# Altium PCB 2m_DBoard_TX.PcbDoc (part 1 of 2) (continued)
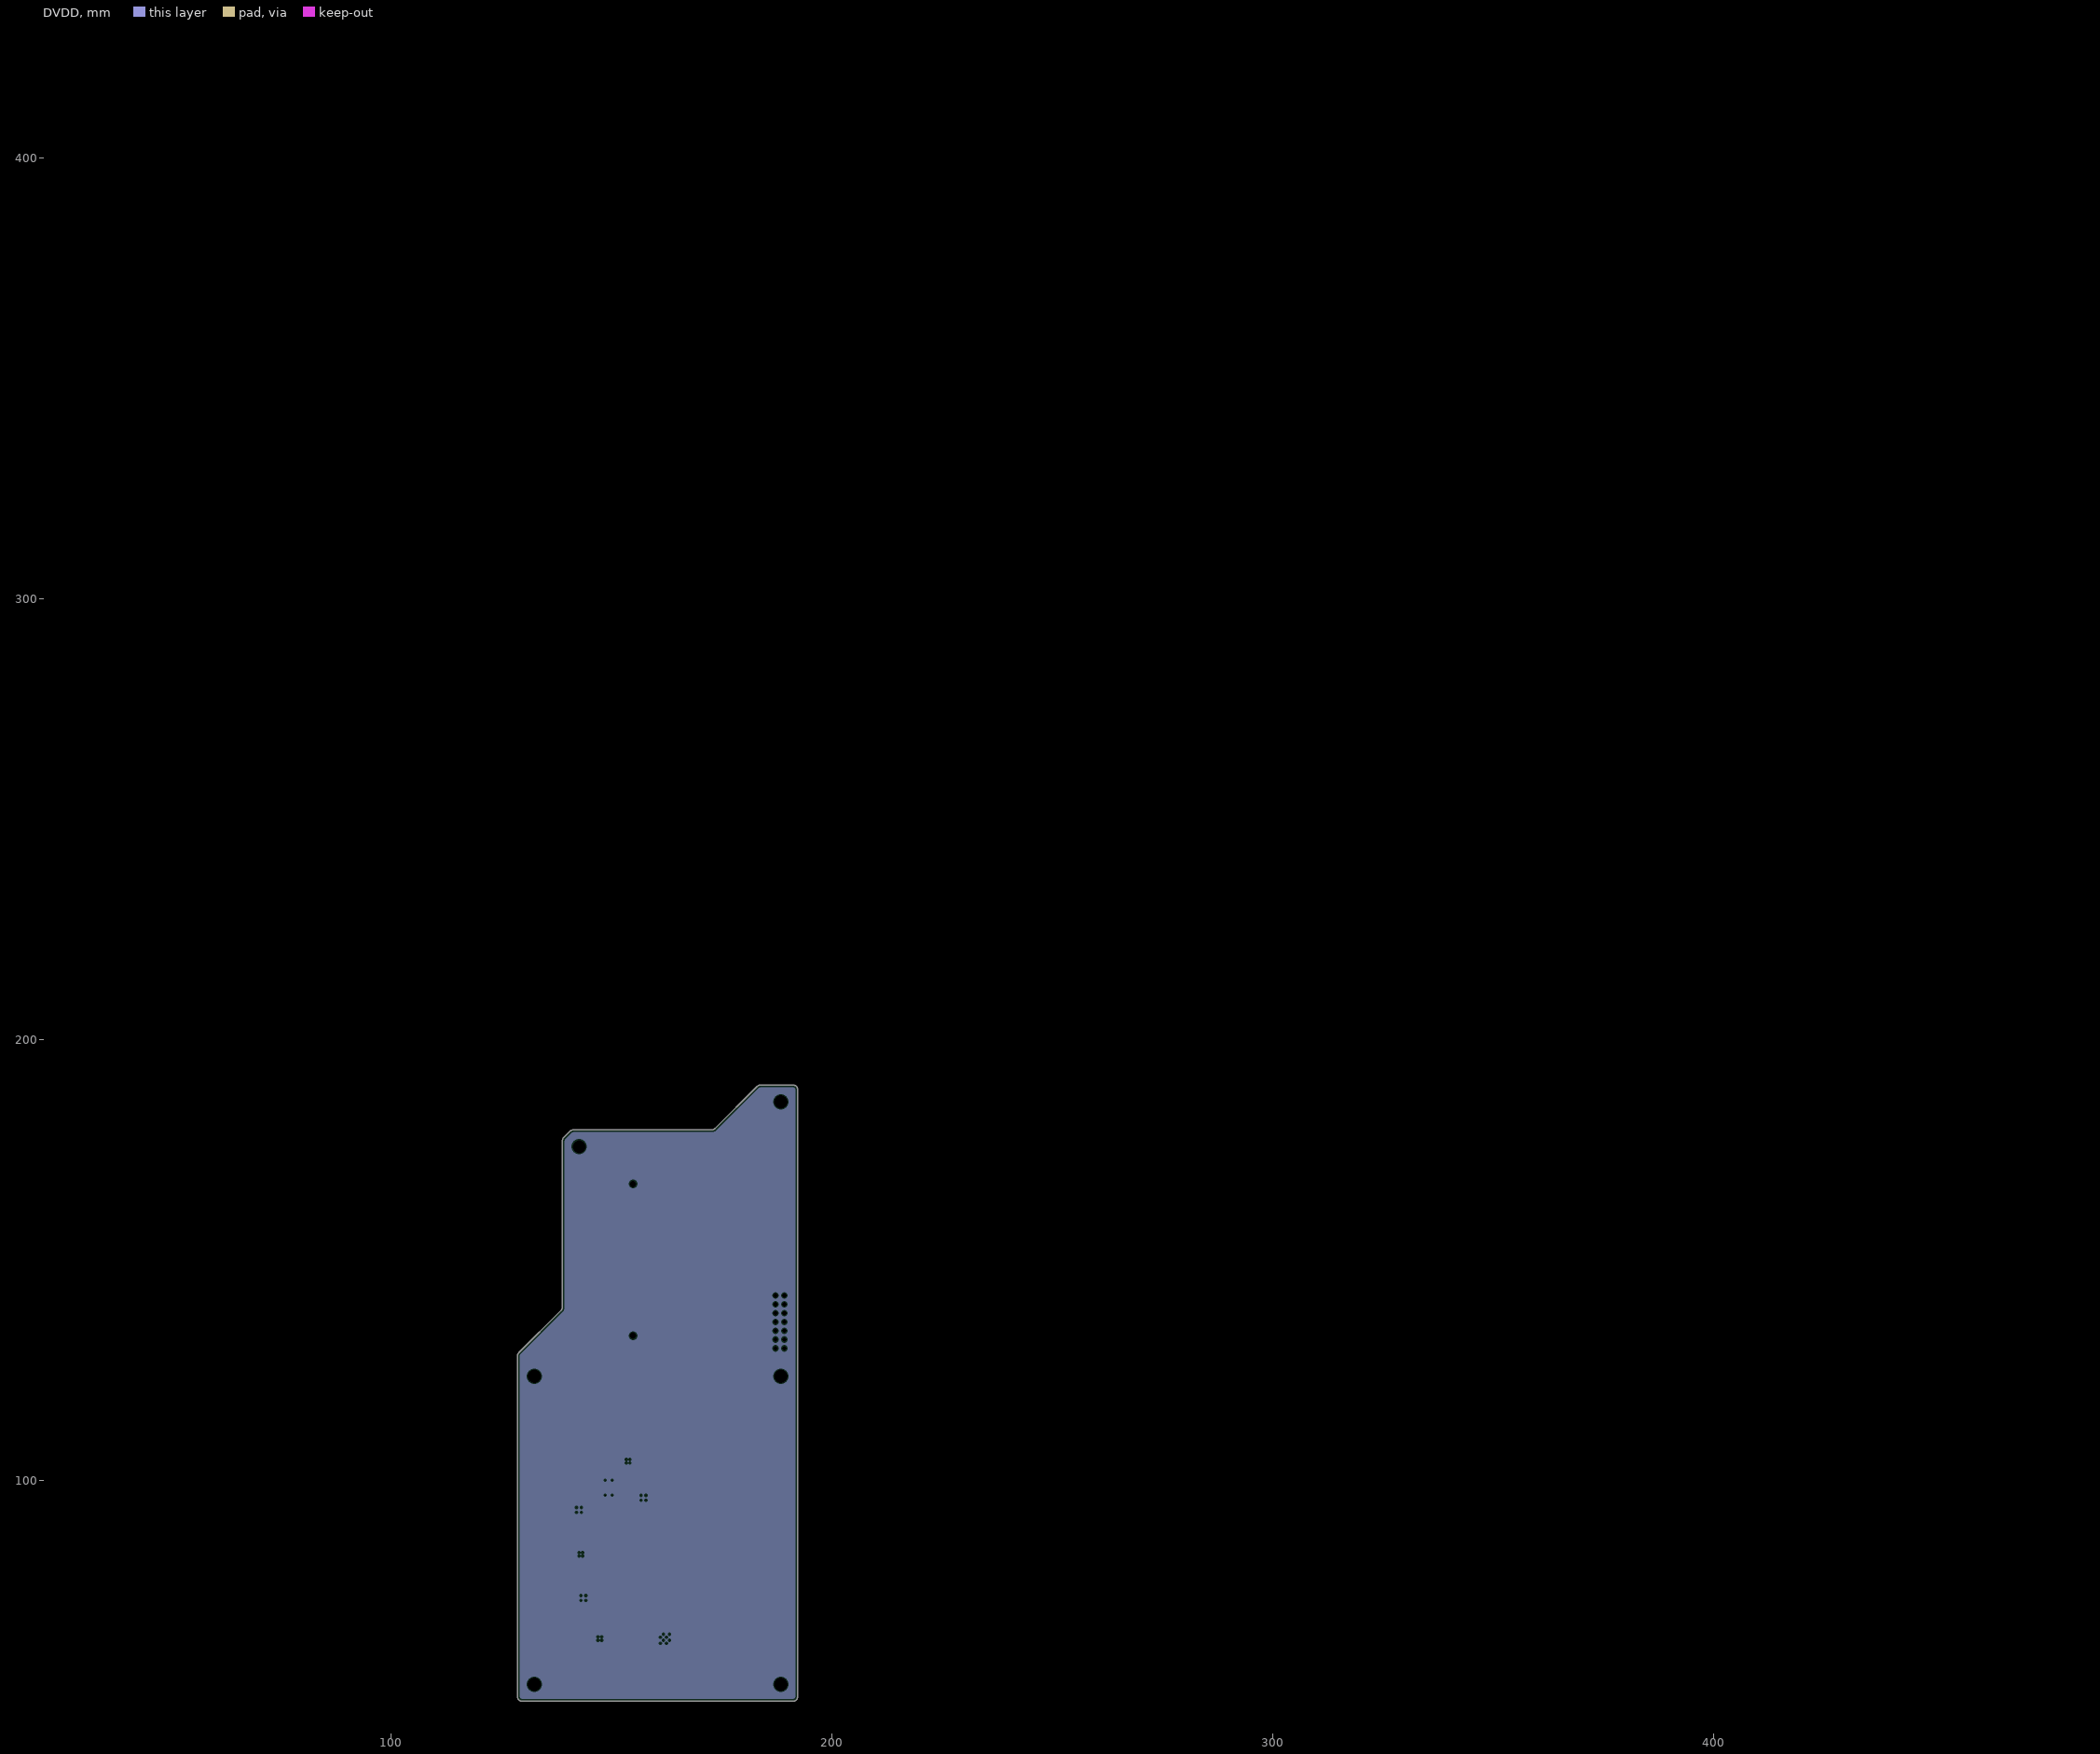
[diagram p4: DVDD, clearances drawn from the general rule]
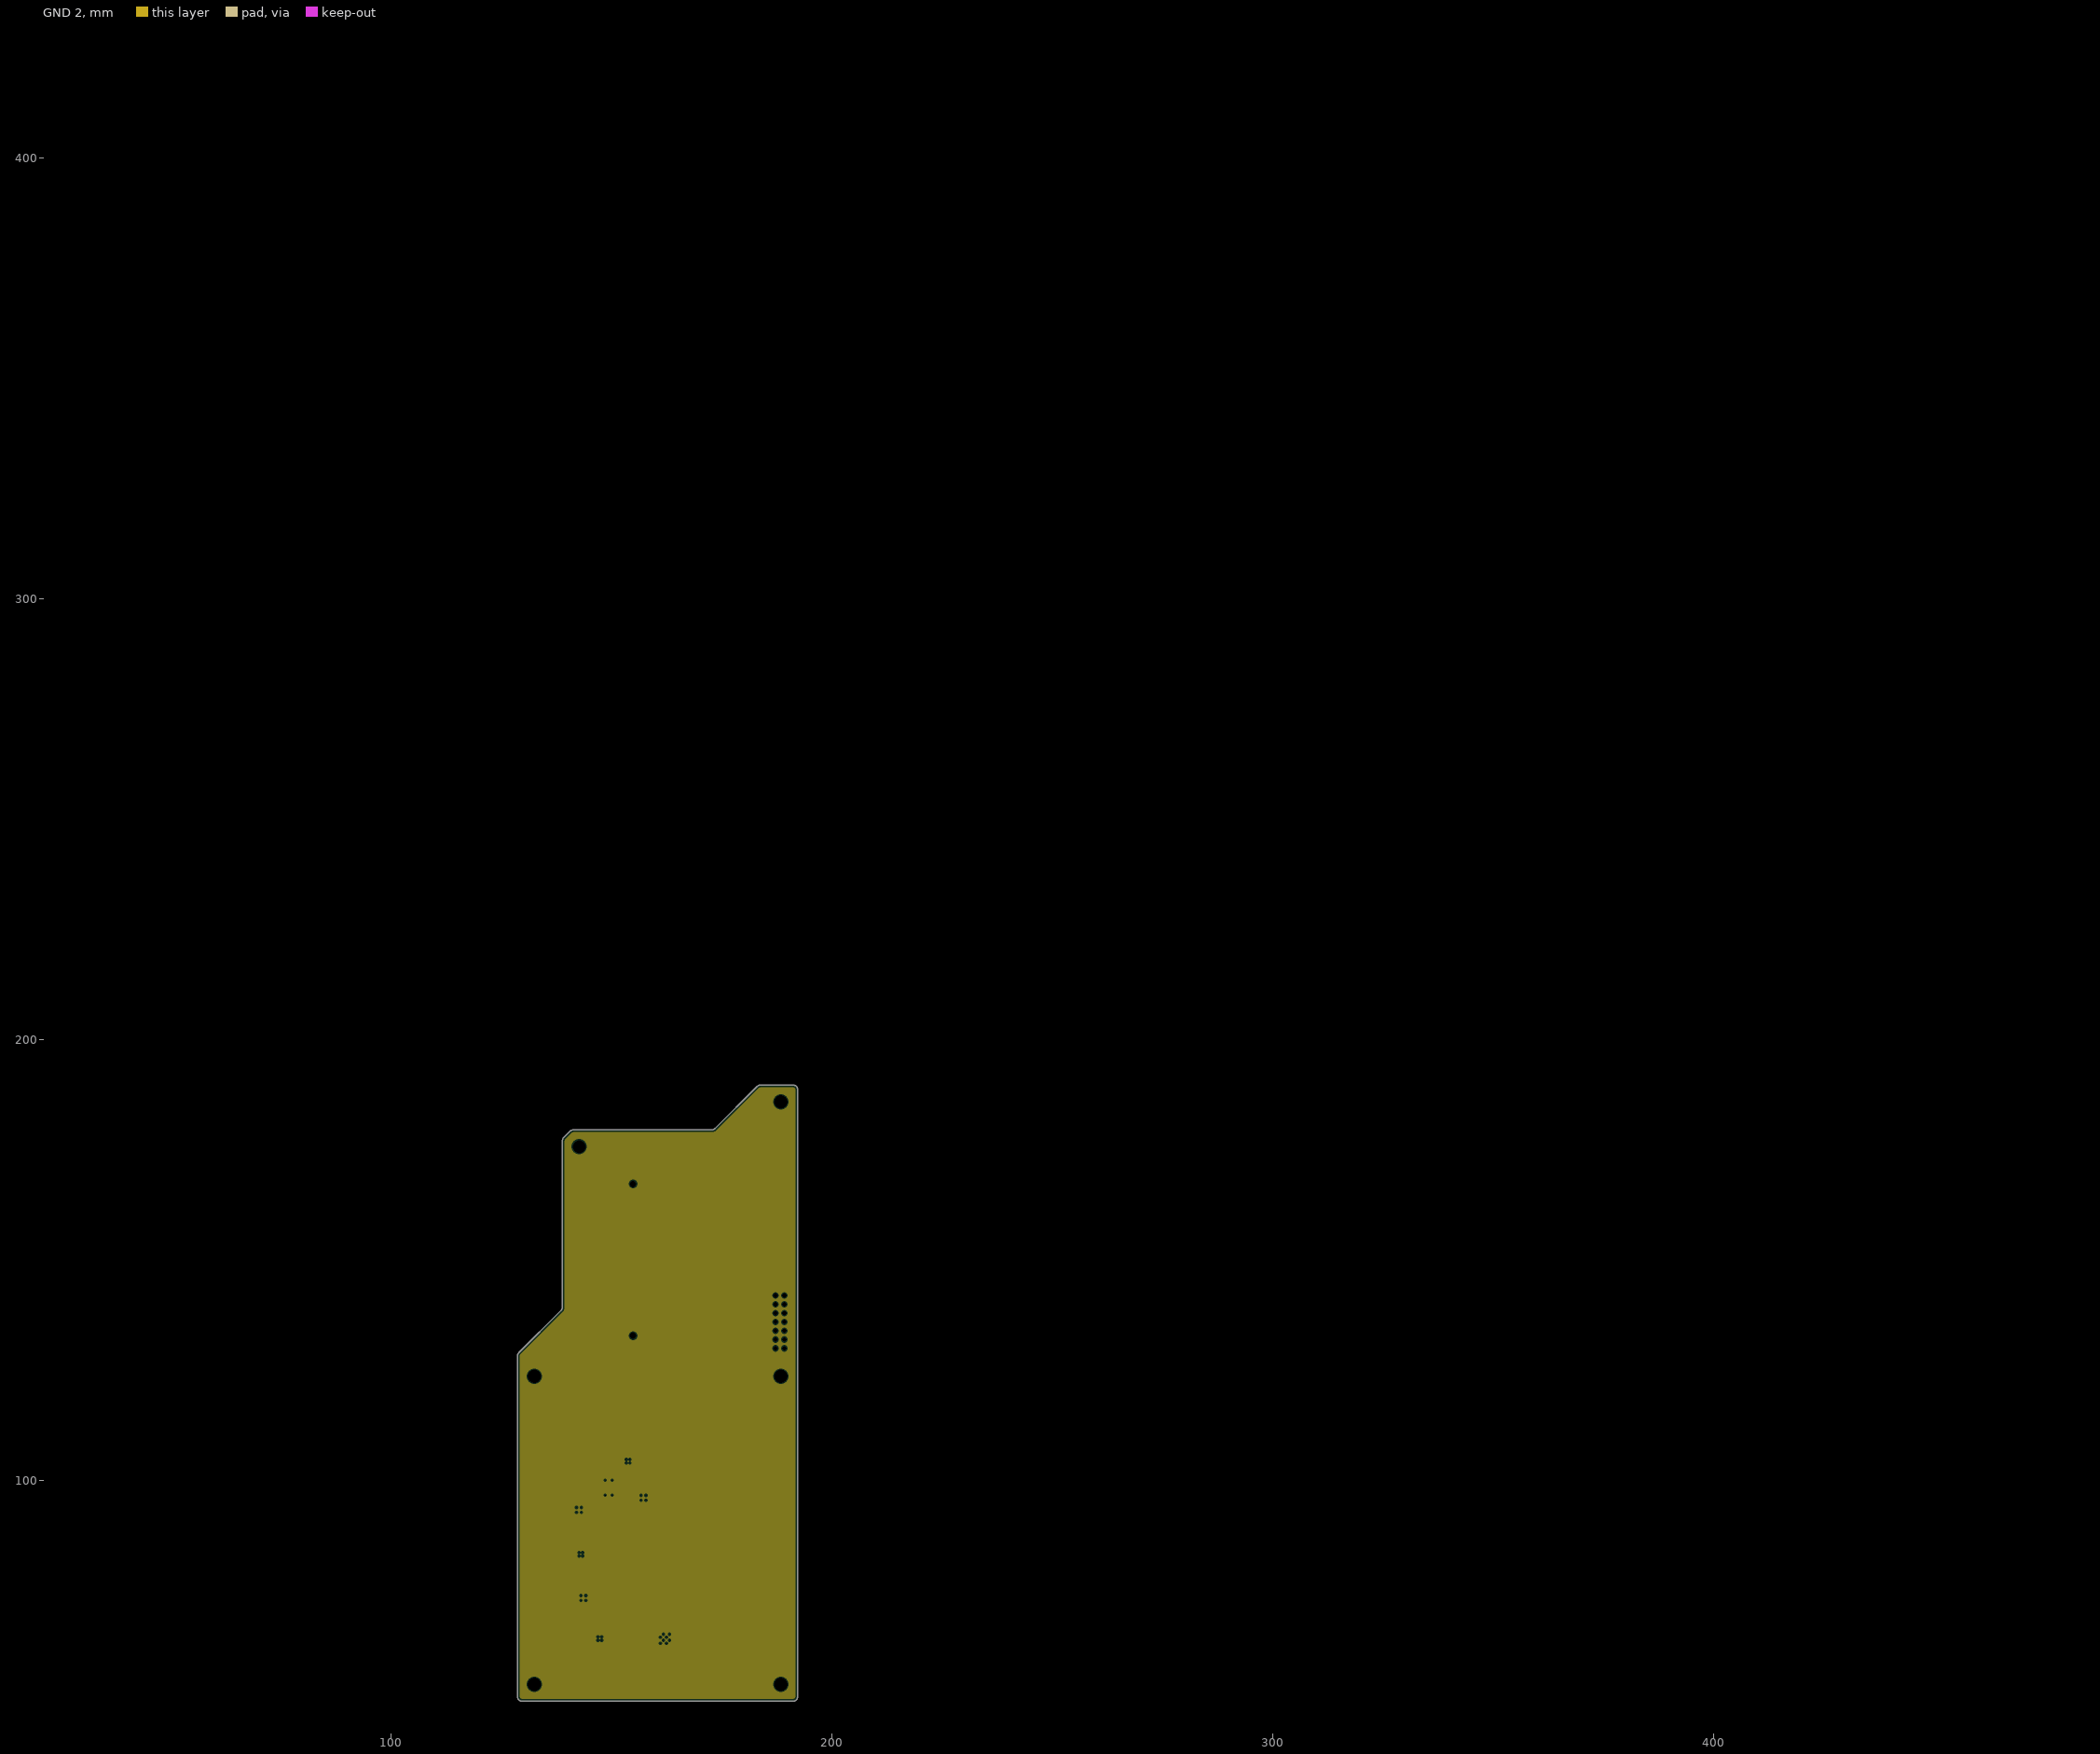
[diagram p5: GND 2, clearances drawn from the general rule]
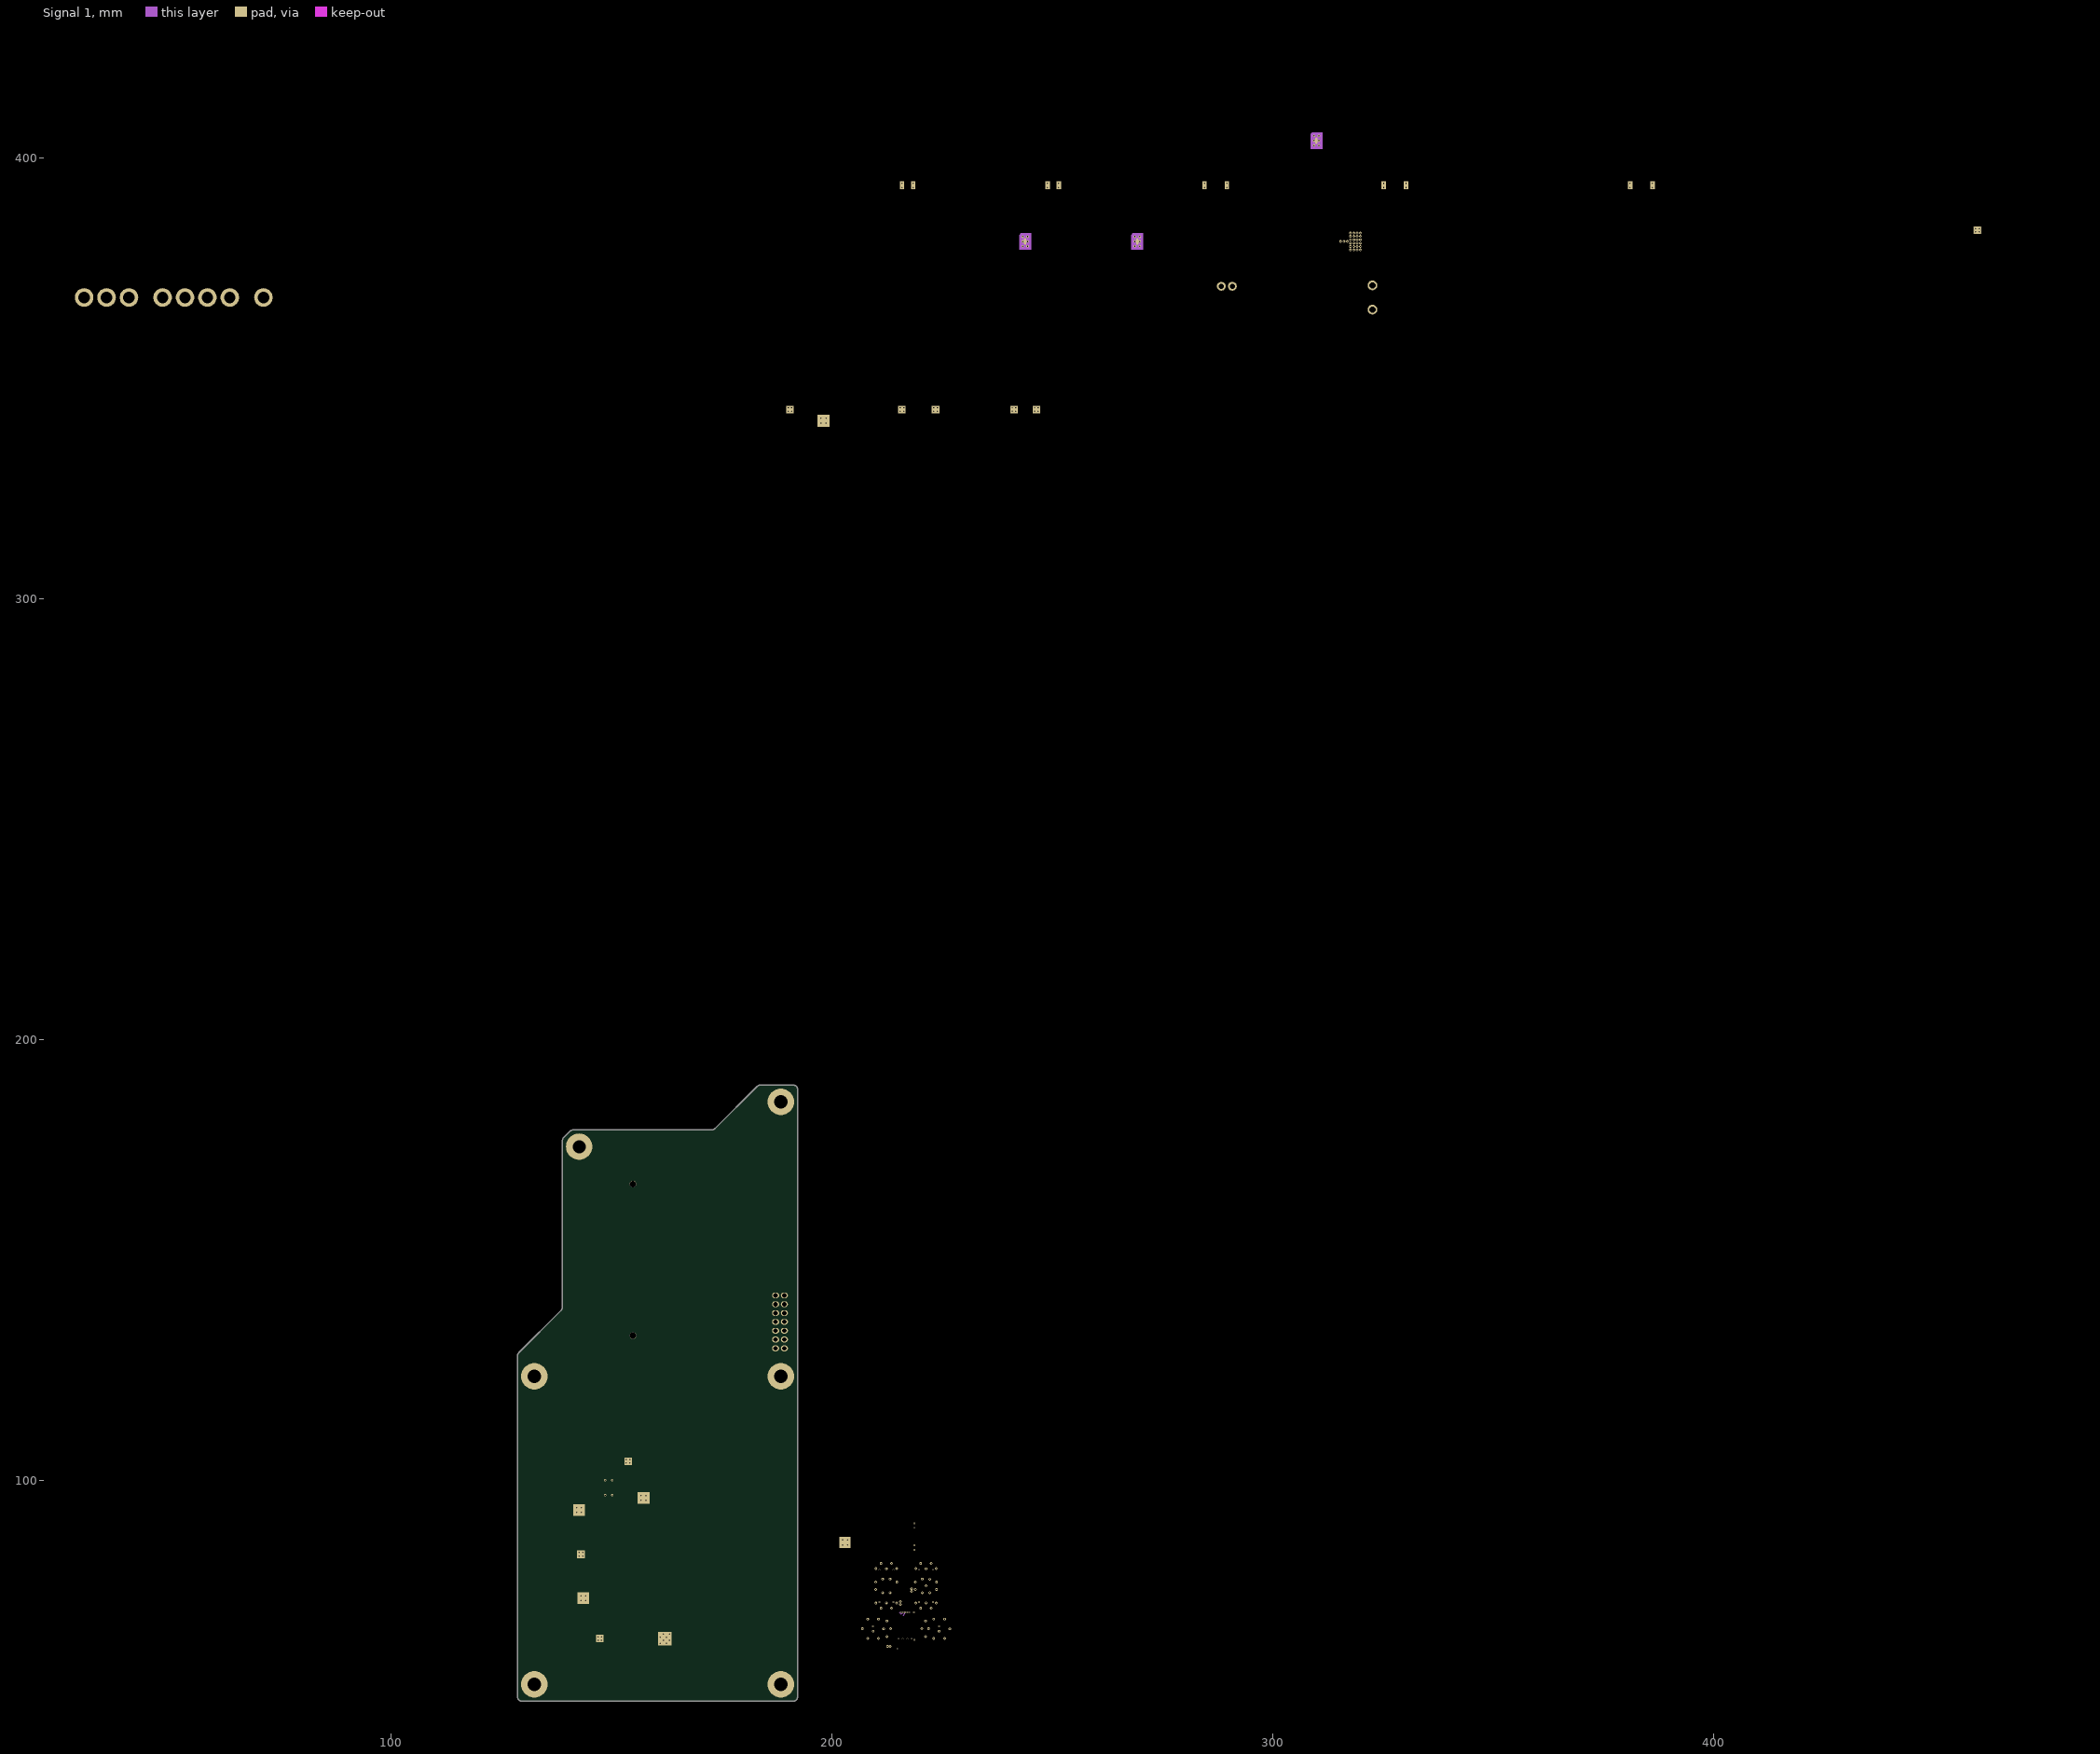
[diagram p6: Signal 1]
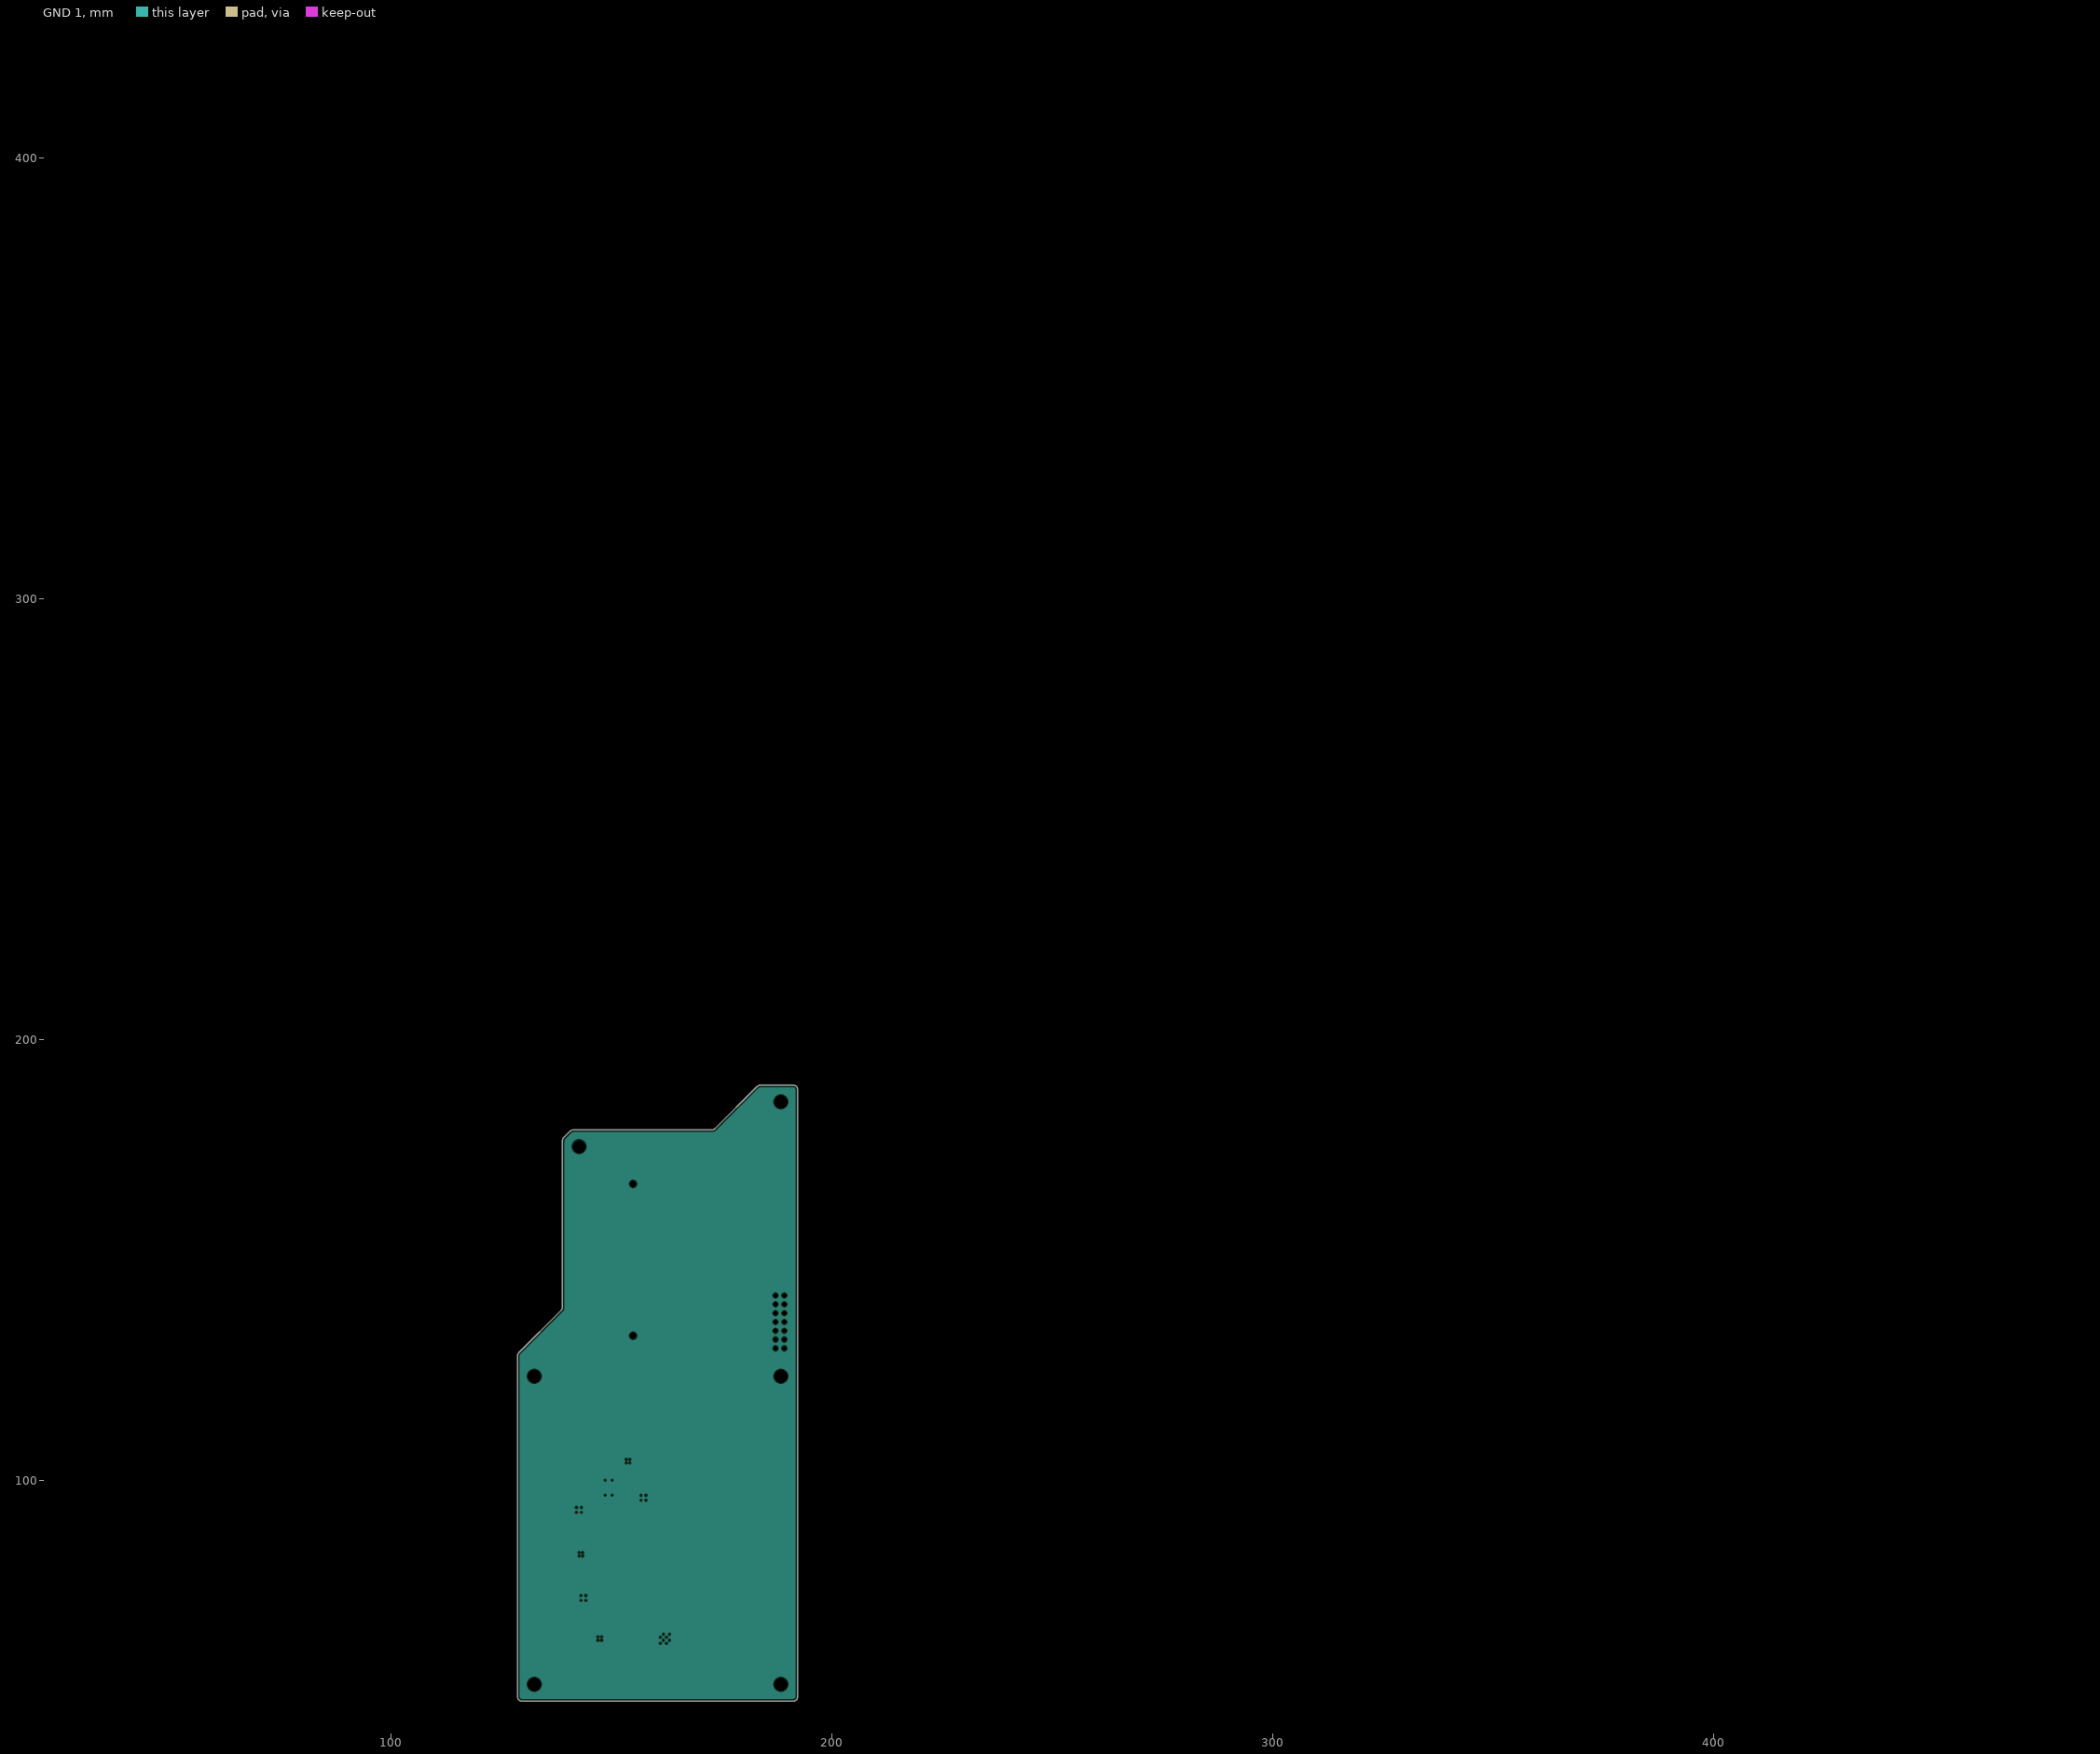
[diagram p7: GND 1, clearances drawn from the general rule]

## Layer stack, top to bottom
Top Solder: solder mask 0.0254, SM-003, Dk 4
Top RF: signal copper 0.018
Dielectric 1: prepreg 0.125, 2116 (Tg170), Dk 5.1
AGND: plane copper 0.018
Dielectric 2: core 0.3, FR-4 (Tg170), Dk 4.5
AVDD: plane copper 0.018
Dielectric 3: prepreg 0.125, 2116 (Tg170), Dk 5.1
DVDD: plane copper 0.018
Dielectric 4: core 0.3, FR-4 (Tg170), Dk 4.5
GND 2: plane copper 0.018
Dielectric 5: prepreg 0.125, 2116 (Tg170), Dk 5.1
Signal 1: signal copper 0.018
Dielectric 6: core 0.3, FR-4 (Tg170), Dk 4.5
Mid-Layer 4: signal copper 0.0356
Dielectric8: dielectric 0.32, FR-4, Dk 4.8
GND 1: plane copper 0.018
Dielectric 7: prepreg 0.125, 2116 (Tg170), Dk 5.1
Bottom Layer: signal copper 0.018
Bottom Solder: solder mask 0.0254, SM-003, Dk 4

## Board outline
128.74,51 128.74,128.305 cw(c129.79,128.305) 129.047,129.047 138.593,138.592 ccw(c137.85,139.335) 138.9,139.335 138.9,177.07 cw(c139.95,177.07) 139.207,177.812 140.629,179.234 140.63,179.232 cw(c141.373,178.49) 141.372,179.54 172.755,179.54 ccw(c172.755,180.59) 173.497,179.848 183.042,189.392 cw(c183.785,188.65) 183.785,189.7 191.24,189.7 cw(c191.24,188.7) 192.24,188.7 192.24,51 cw(c191.24,51) 191.24,50 129.74,50 cw(c129.74,51)

## Design rules (kind name [scope] priority, off if disabled: settings)
Clearance Bottom_diff_pair_100Ohm [OnLayer('Bottom Layer') vs InDifferentialPairClass('Diff_pair_100Ohm_outter')] p1: gap=0.2 ignorepadtopadclearanceinfootprint=FALSE except(0: Arc-Hole Track-Hole SMDPad-Hole THPad-Hole Via-Hole Fill-Hole Poly-Hole Region-Hole Text-Hole; 0.14: Arc-Arc Arc-Track Track-Track; 0.15: Arc-SMDPad Arc-THPad Arc-Via Arc-Text Track-SMDPad Track-THPad Track-Via Track-Text SMDPad-SMDPad SMDPad-THPad SMDPad-Via SMDPad-Text THPad-THPad THPad-Via THPad-Text Via-Via Via-Text Fill-Text Poly-Text Region-Text Text-Text)
Clearance Top_RF_50Ohm [OnLayer('Top RF') vs InNetClass('RF_50Ohm')] p2: gap=0.15 ignorepadtopadclearanceinfootprint=FALSE except(0: Arc-Hole Track-Hole SMDPad-Hole THPad-Hole Via-Hole Fill-Hole Poly-Hole Region-Hole Text-Hole; 0.2: Arc-Fill Arc-Poly Arc-Region Track-Fill Track-Poly Track-Region SMDPad-Fill SMDPad-Poly SMDPad-Region THPad-Fill THPad-Poly THPad-Region Via-Fill Via-Poly Via-Region Fill-Fill Fill-Poly Fill-Region Poly-Poly Poly-Region Region-Region)
Clearance Signal1_diff_pair_100Ohm [OnLayer('Signal 1') vs InDifferentialPairClass('Diff_pair_100Ohm_inner')] p3: gap=0.14 ignorepadtopadclearanceinfootprint=FALSE except(0: Arc-Hole Track-Hole SMDPad-Hole THPad-Hole Via-Hole Fill-Hole Poly-Hole Region-Hole Text-Hole; 0.15: Fill-Text)
Clearance Signal1_50Ohm [OnLayer('Signal 1') vs InNet('GND')] p4: gap=0.15 ignorepadtopadclearanceinfootprint=FALSE except(0: Arc-Hole Track-Hole SMDPad-Hole THPad-Hole Via-Hole Fill-Hole Poly-Hole Region-Hole Text-Hole; 0.25: Arc-Fill Arc-Poly Arc-Region Track-Fill Track-Poly Track-Region SMDPad-Fill SMDPad-Poly SMDPad-Region THPad-Fill THPad-Poly THPad-Region Via-Fill Via-Poly Via-Region Fill-Fill Fill-Poly Fill-Region Poly-Poly Poly-Region Region-Region)
Clearance "POWER to GND" [InNetClass('POWER') vs InNet('GND')] p5: gap=0.15 ignorepadtopadclearanceinfootprint=TRUE
Clearance "POWER to POWER" [InNetClass('POWER') vs InNetClass('POWER')] p6: gap=0.254 ignorepadtopadclearanceinfootprint=TRUE except(0.15: Arc-Arc Arc-Track Arc-SMDPad Arc-THPad Arc-Via Track-Track Track-SMDPad Track-THPad Track-Via)
Clearance Not_Plated_Hole [(PadIsPlated = 'false') and OnMultiLayer] p7: gap=0.25 ignorepadtopadclearanceinfootprint=FALSE except(0: Arc-Hole Track-Hole SMDPad-Hole THPad-Hole Via-Hole Fill-Hole Poly-Hole Region-Hole Text-Hole)
Clearance HV [InNetClass('HV')] p8: gap=0.25 ignorepadtopadclearanceinfootprint=FALSE except(0: Arc-Hole Track-Hole SMDPad-Hole THPad-Hole Via-Hole Fill-Hole Poly-Hole Region-Hole Text-Hole; 0.2: SMDPad-SMDPad)
Clearance [All] p9: gap=0.1 ignorepadtopadclearanceinfootprint=FALSE except(0: Arc-Hole Track-Hole SMDPad-Hole THPad-Hole Via-Hole Fill-Hole Poly-Hole Region-Hole Text-Hole; 0.15: Arc-Fill Arc-Poly Track-Fill Track-Poly SMDPad-Fill SMDPad-Poly THPad-Fill THPad-Poly Via-Fill Via-Poly Fill-Fill Fill-Poly Fill-Region Fill-Text Poly-Poly Poly-Region Poly-Text)
DiffPairsRouting Diff_pair_100Ohm_outter_rule [InDifferentialPairClass('Diff_pair_100Ohm_outter')] p1: maxlimit=1 minlimit=0.14 mostfreqgap=0.145 toplayer_minwidth=0.11 toplayer_maxwidth=0.17 toplayer_prefwidth=0.115 midlayer1_minwidth=0.11 midlayer1_maxwidth=0.17 midlayer1_prefwidth=0.115 midlayer4_minwidth=0.11 midlayer4_maxwidth=0.17 midlayer4_prefwidth=0.115 bottomlayer_minwidth=0.11 bottomlayer_maxwidth=0.17 bottomlayer_prefwidth=0.115 maxuncoupledlength=12.7
DiffPairsRouting Diff_pair_100Ohm_inner_rule [InDifferentialPairClass('Diff_pair_100Ohm_inner')] p2: maxlimit=0.3 minlimit=0.145 mostfreqgap=0.3 toplayer_maxgap=0.145 toplayer_prefgap=0.145 toplayer_minwidth=0.115 toplayer_maxwidth=0.115 toplayer_prefwidth=0.115 midlayer1_minwidth=0.381 midlayer1_maxwidth=0.381 midlayer1_prefwidth=0.381 midlayer4_mingap=0.3 midlayer4_minwidth=0.1 midlayer4_maxwidth=0.1 midlayer4_prefwidth=0.1 bottomlayer_maxgap=0.145 bottomlayer_prefgap=0.145 bottomlayer_minwidth=0.115 bottomlayer_maxwidth=0.115 bottomlayer_prefwidth=0.115 maxuncoupledlength=12.7
HoleSize MicroMech_Vias [InPadClass('MicroMechanical')] p1: absolutevalues=TRUE maxlimit=1 minlimit=0.2 maxpercent=80.000 minpercent=20.000
HoleSize Mech_Vias [InPadClass('Mechanical')] p2: absolutevalues=TRUE maxlimit=4 minlimit=1 maxpercent=80.000 minpercent=20.000
HoleSize [All] p3: absolutevalues=TRUE maxlimit=5 minlimit=0.2 maxpercent=80.000 minpercent=20.000
HoleToHoleClearance [All] p1: gap=0.15 allowstackedmicrovias=TRUE
MinimumSolderMaskSliver [All] p1: minsoldermaskwidth=0.01
PlaneClearance [All] p1: clearance=0.254
PlaneConnect [All] p1: planeconnectstyle=Direct reliefexpansion=0.508 reliefentries=4 reliefconductorwidth=0.254 reliefairgap=0.254
PolygonConnect PolygonConnect_1 [All vs IsNamedPolygon('6V_L01_P003','_6V_FLT_L01_P015','6V_L01_P040', '3V3_L01_P014', '_3V3_L01_P013', 'GND_L01_P005', '_TPS_VOUT_L01_P011', '_3V3_FLT_L01_P012', '12V_AVDD_L01_P020', 'GND_L01_P024', 'AGND_L01_P023', '3V3_L04_P025', '_3V3_L01_P010', '_12V_TPS_L01_P040')] p1: thpad.connectstyle=Relief thpad.reliefconductorwidth=0.3 thpad.reliefentries=4 thpad.polygonreliefangle="90 Angle" thpad.airgapwidth=0.15 smdpad.connectstyle=Relief smdpad.reliefconductorwidth=0.3 smdpad.reliefentries=4 smdpad.polygonreliefangle="90 Angle" smdpad.airgapwidth=0.15 via.connectstyle=Direct via.reliefconductorwidth=0.254 via.reliefentries=4 via.polygonreliefangle="90 Angle" via.airgapwidth=0.254